# Altium PCB controller_V1.0.PcbDoc (part 1 of 8) (continued)
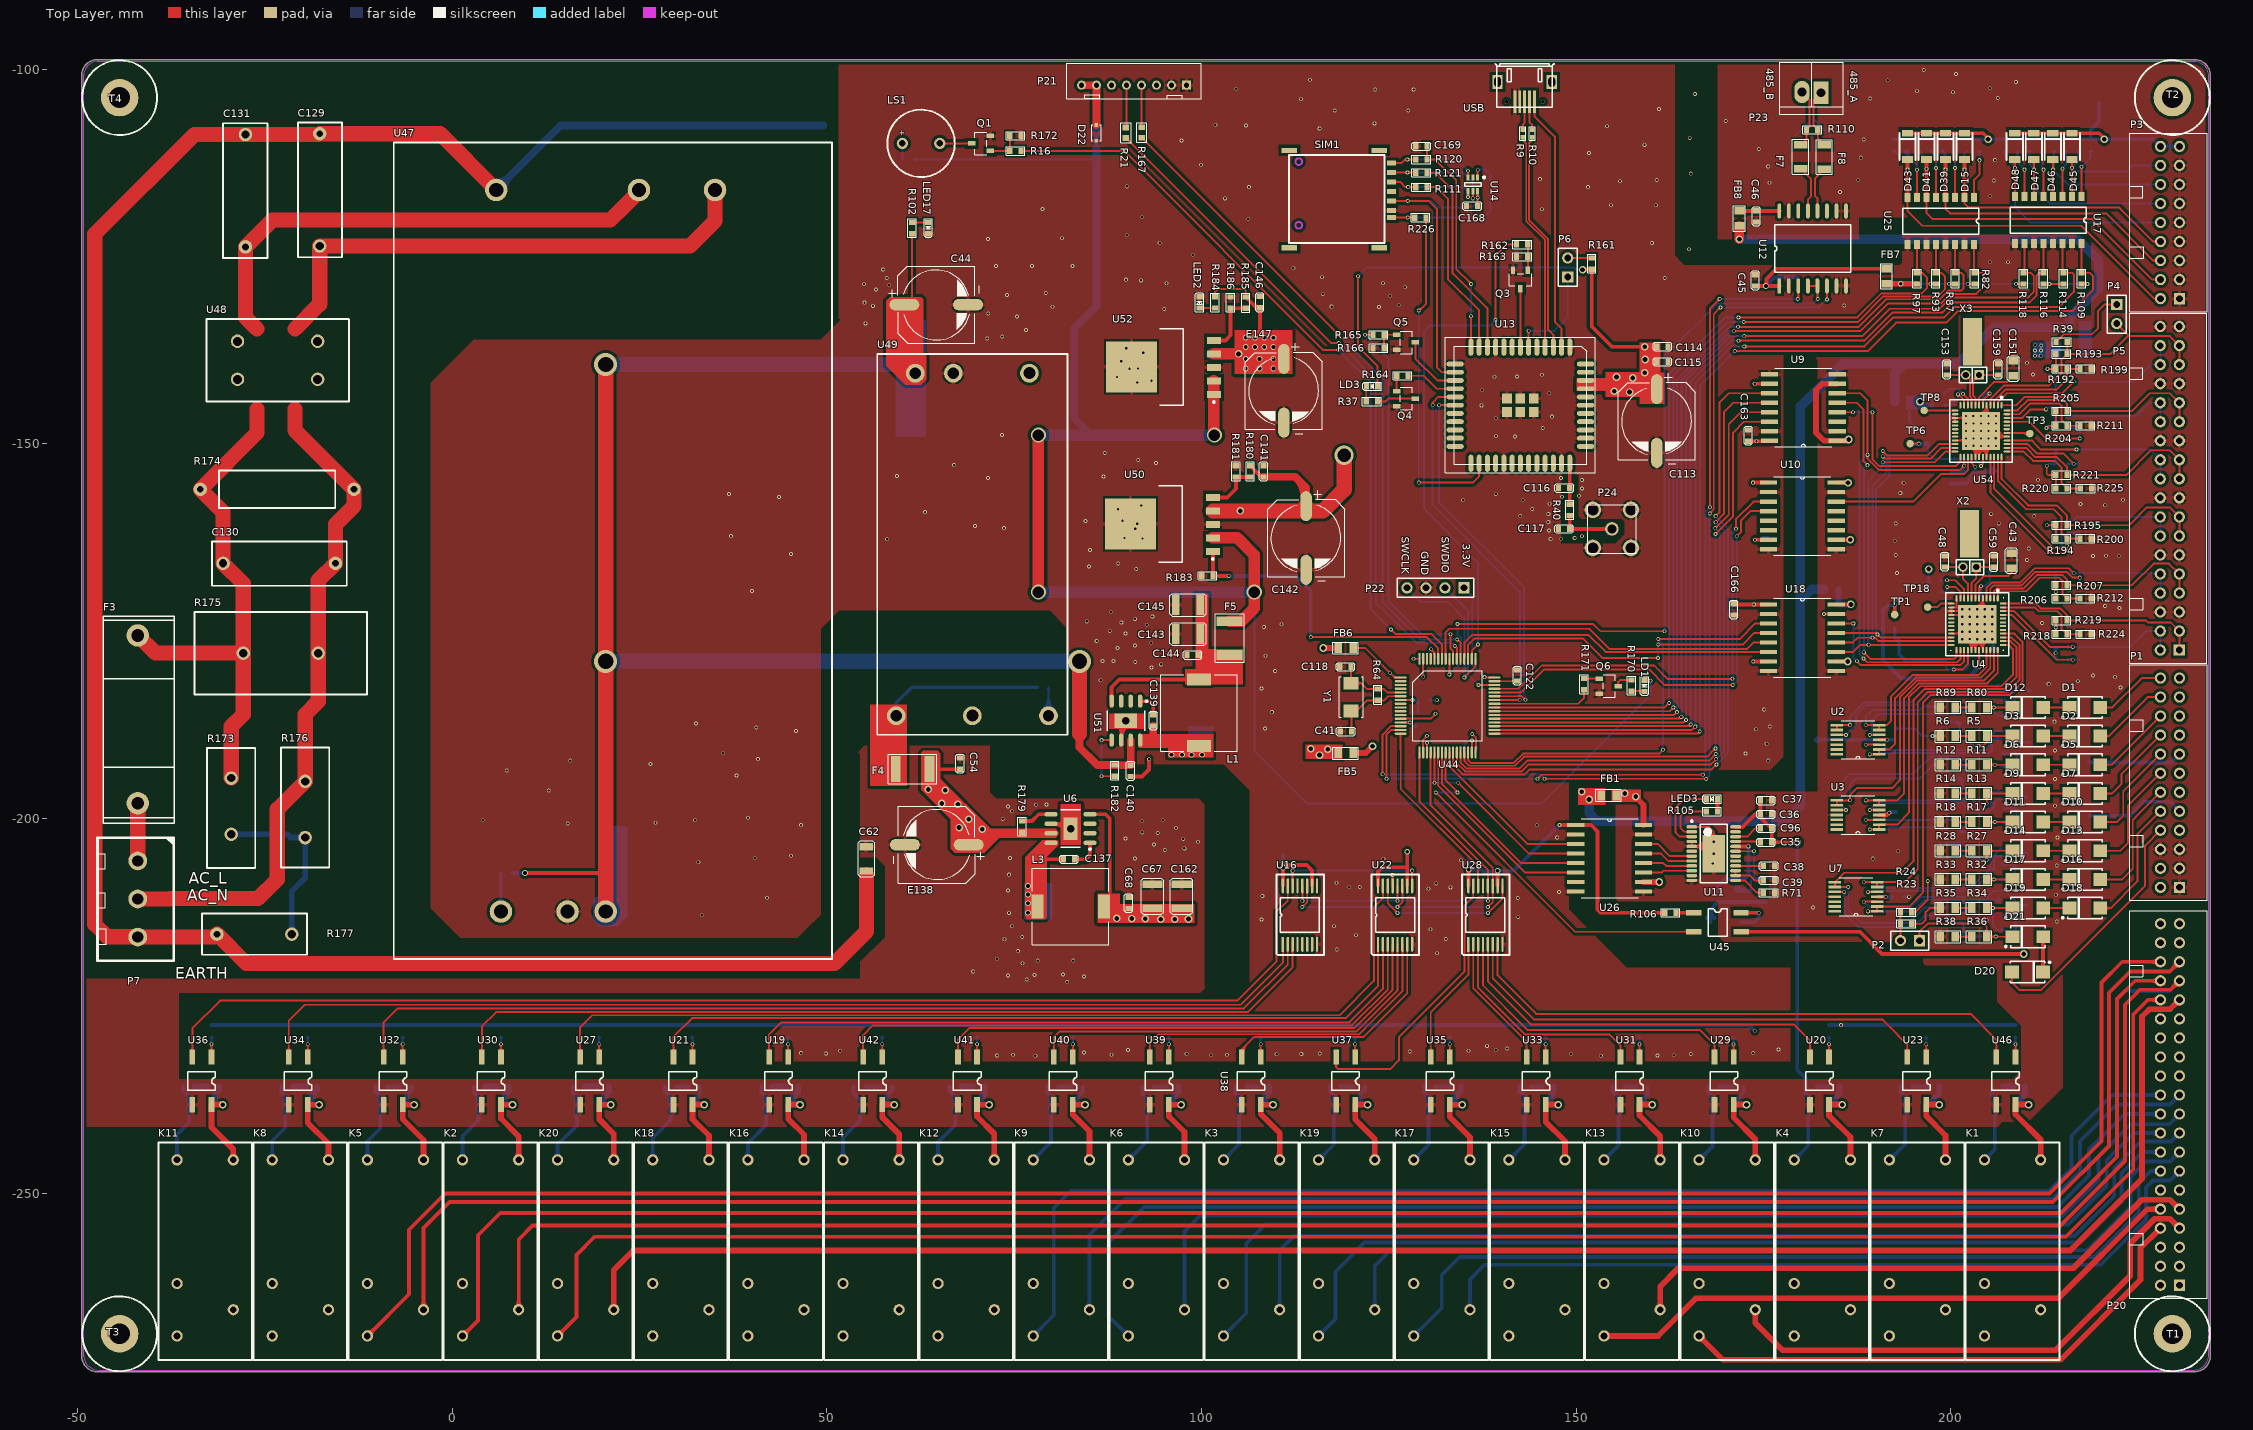
[diagram p0: Top Layer view]
## Components (designator, comment, footprint, x,y, rotation, side; value= is the part's Value field where it differs from the comment)
C1 "1uF" 0603C 192.987,-170.586 r0 bottom
C2 "0.1uF" 0603C 194.638,-176.428 r180 bottom
C3 "220nF" 0805C 206.781,-191.347 r90 bottom
C4 "220nF" 0805C 206.906,-198.45 r90 bottom
C5 "220nF" 0805C 206.781,-184.353 r90 bottom
C6 "0.1uF" 0603C 210.718,-191.364 r90 bottom
C7 "0.1uF" 0603C 210.309,-198.65 r90 bottom
C8 "0.1uF" 0603C 210.718,-184.379 r90 bottom
C12 "220nF" 0805C 199.288,-203.229 r90 bottom
C13 "220nF" 0805C 199.413,-187.029 r90 bottom
C16 "0.1uF" 0603C 203.098,-203.302 r90 bottom
C17 "0.1uF" 0603C 202.816,-187.229 r90 bottom
C21 "220nF" 0805C 199.288,-194.72 r90 bottom
C22 "220nF" 0805C 206.906,-212.881 r90 bottom
C25 "0.1uF" 0603C 203.225,-194.666 r90 bottom
C26 "0.1uF" 0603C 210.309,-213.081 r90 bottom
C29 "220nF" 0805C 206.779,-206.023 r90 bottom
C30 "220nF" 0805C 199.669,-213.897 r90 bottom
C33 "0.1uF" 0603C 210.182,-206.223 r90 bottom
C34 "0.1uF" 0603C 203.479,-213.97 r90 bottom
C35 "0.01uF" 0603C 174.621,-203.175 r0 top
C36 "0.01uF" 0603C 176.121,-199.449 r180 top
C37 "0.1uF" 0603C 176.121,-197.587 r180 top
C38 "0.1uF" 0603C 174.978,-206.35 r0 top
C39 "0.1uF" 0603C 174.978,-208.255 r0 top
C40 "0.1uF" 0603C 177.518,-211.279 r90 bottom
C41 "20p" 0603c 118.516,-188.392 r0 top
C42 "0.1uF" 0603C 135.687,-205.384 r0 bottom
C43 "22nF" 0805C 208.117,-166.573 r90 top
C44 "220uF/50V" Φ10×10 64.59,-131.42 r90 top
C45 "0.1uF" 0603C 173.937,-127.406 r270 top
C46 "0.1uF" 0603C 174.038,-120.371 r90 top
C47 "0.1uF" 0603C 194.208,-199.136 r180 bottom
C48 "4.7pF" 0603C 199.227,-166.446 r90 top
C49 "0.1uF" 0603C 192.507,-187.985 r270 bottom
C54 "1uF" 0603C 67.765,-191.922 r270 top
C56 "10nF/50V" 0603C 198.926,-109.322 r270 bottom value=22nF
C57 "0.1uF" 0603C 127.457,-205.537 r180 bottom
C58 "0.1uF" 0603C 193.599,-210.464 r180 bottom
C59 "4.7pF" 0603C 205.765,-166.472 r90 top value=6.8pF
C62 "1nF/2kV" 1206C 55.268,-203.759 r270 top
C63 "10nF/50V" 0603C 195.653,-109.322 r270 bottom value=22nF
C65 "10nF/50V" 0603C 192.38,-109.322 r270 bottom value=22nF
C67 "22uF/10V" 1210C 93.444,-212.014 r90 top
C68 "0.1uF" 0603C 90.269,-212.014 r90 top
C73 "0.1uF" 0603C 110.896,-204.876 r0 bottom
C76 "10nF/50V" 0603C 217.061,-109.322 r270 bottom value=22nF
C78 "10nF/50V" 0603C 213.795,-109.322 r270 bottom value=22nF
C79 "10nF/50V" 0603C 210.53,-109.322 r270 bottom value=22nF
C80 "10nF/50V" 0603C 207.264,-109.322 r270 bottom value=22nF
C84 "0.01uF" 0603C 199.354,-177.495 r270 bottom
C85 "0.1uF" 0603C 203.291,-155.27 r90 bottom
C86 "0.1uF" 0603C 205.831,-144.729 r180 bottom
C87 "0.1uF" 0603C 46.176,-235.788 r180 bottom
C88 "0.1uF" 0603C 185.162,-235.788 r180 bottom
C89 "0.1uF" 0603C 33.016,-235.788 r180 bottom
C90 "0.1uF" 0603C 209.919,-235.788 r180 bottom
C91 "0.1uF" 0603C 198.497,-235.788 r180 bottom
C92 "0.1uF" 0603C 20.926,-235.788 r180 bottom
C93 "0.1uF" 0603C 172.388,-235.788 r180 bottom
C94 "0.1uF" 0603C 7.54,-235.788 r180 bottom
C95 "0.1uF" 0603C 159.559,-235.788 r180 bottom
C96 "0.01uF" 0603C 174.621,-201.312 r0 top
C97 "0.1uF" 0603C -5.463,-235.788 r180 bottom
C98 "0.1uF" 0603C 147.017,-235.788 r180 bottom
C101 "0.1uF" 0603C -18.012,-235.788 r180 bottom
C102 "0.1uF" 0603C 134.591,-235.788 r180 bottom
C103 "0.1uF" 0603C -31.143,-235.788 r180 bottom
C104 "0.1uF" 0603C 121.815,-235.788 r180 bottom
C106 "0.1uF" 0603C 109.064,-235.788 r180 bottom
C107 "0.1uF" 0603C 96.923,-235.788 r180 bottom
C108 "10nF/50V" 0603C 202.199,-109.322 r270 bottom value=22nF
C109 "0.1uF" 0603C 84.223,-235.788 r180 bottom
C110 "0.1uF" 0603C 71.04,-235.788 r180 bottom
C111 "0.1uF" 0603C 58.747,-235.788 r180 bottom
C112 "0.01uF" 0603C 175.359,-209.676 r270 bottom
C113 "220uF/50V" Φ10×10 160.779,-146.939 r0 top value=100pF
C114 "100nF/50V" 0603C 162.278,-137.008 r180 top value=22nF
C115 "33pF/50V" 0603C 162.278,-139.04 r180 top value=22nF
C116 "NC" 0603c 149.172,-155.88 r180 top value=22nF
C117 "NC" 0603c 149.149,-161.341 r180 top value=22nF
C118 "20p" 0603c 118.466,-179.756 r0 top
C119 "2.2uF/50V" 0603C 135.091,-192.292 r90 bottom value=22nF
C120 "0.1uF/50V" 0603C 130.378,-186.03 r180 bottom value=22nF
C121 "0.1uF" 0603C 205.638,-170.663 r180 bottom
C122 "2.2uF/50V" 0603C 142.164,-180.162 r270 top value=22nF
C123 "0.1uF/50V" 0603C 130.099,-192.456 r90 bottom value=22nF
C124 "0.1uF/50V" 0603C 136.677,-192.227 r90 bottom value=22nF
C125 "0.1uF/50V" 0603C 130.325,-187.681 r180 bottom value=22nF
C126 "0.1uF/50V" 0603C 140.564,-181.127 r180 bottom value=22nF
C127 "0.1uF/50V" 0603C 129.614,-180.086 r90 bottom value=22nF
C128 "0.1uF/50V" 0603C 128.115,-181.178 r180 bottom value=22nF
C129 "2.2nF/400VAC" 15x18 -17.706,-108.585 r270 top value=22nF
C130 "0.15μF/300VAC" 15x18 -15.598,-165.938 r180 top value=22nF
C131 "2.2nF/400VAC" 15x18 -27.612,-123.698 r90 top value=22nF
C132 "1nF/2KV" 1206C 52.756,-107.493 r180 bottom value=22nF
C133 "0.1uF" 0603C 206.72,-166.827 r180 bottom
C134 "1uF/50V" 1210C 64.844,-135.103 r180 bottom value=22nF
C135 "4.7uF/50V" 1210C 17.244,-207.416 r0 bottom value=22nF
C136 "10uF/50V" 1210C 17.321,-202.59 r0 bottom value=22nF
C137 "0.01uF" 0603C 81.557,-205.435 r0 top
C138 "0.1uF" 0603C 183.515,-149.581 r0 bottom
C139 "0.01uF" 0603C 93.571,-187.655 r90 top
C140 "1uF" 0603C 90.523,-194.386 r90 top
C141 "0.1uF/50V" 0603C 108.278,-152.907 r270 top value=22nF
C142 "470uF/50V" Φ10×10 113.967,-162.56 r0 top value=100pF
C143 "22uF/10V" 1210C 99.819,-175.381 r180 top
C144 "0.1uF" 0603C 99.565,-178.175 r180 top
C145 "22uF/10V" 1210C 99.819,-171.475 r180 top
C146 "0.1uF/50V" 0603C 107.795,-130.327 r270 top value=22nF
C147 "0.1uF" 0603C 175.689,-164.059 r90 bottom
C151 "22nF" 0805C 208.371,-140.919 r90 top
C153 "4.7pF" 0603C 199.481,-140.792 r90 top
C156 "1uF" 0603C 197.002,-149.962 r90 bottom
C157 "0.1uF" 0603C 192.991,-146.304 r0 bottom
C159 "4.7pF" 0603C 206.339,-140.792 r90 top value=6.8pF
C160 "0.1uF" 0603C 183.413,-162.789 r0 bottom
C161 "0.1uF" 0603C 175.539,-180.518 r90 bottom
C162 "22uF/10V" 1210C 97.356,-212.014 r90 top
C163 "0.1uF" 0603C 172.974,-148.133 r270 top
C164 "0.1uF" 0603C 183.413,-179.045 r0 bottom
C165 "0.1uF" 0603C 183.54,-171.425 r0 bottom
C166 "0.1uF" 0603C 171.041,-172.847 r90 top
C167 "0.1uF" 0603C 222.961,-201.117 r90 bottom
C168 "0.1uF/10V" 0603c 135.382,-118.237 r0 top
C169 "0.1uF/10V" 0603c 130.099,-110.261 r180 top
D1 "SS14" DO-214AC 217.929,-185.174 r180 top
D2 "SS14" DO-214AC 217.929,-189 r180 top
D3 "SS14" DO-214AC 210.309,-189 r180 top
D4 "SS54" SMC 85.57,-211.252 r180 bottom
D5 "SS14" DO-214AC 217.929,-192.826 r180 top
D6 "SS14" DO-214AC 210.309,-192.826 r180 top
D7 "SS14" DO-214AC 217.929,-196.652 r180 top
D8 "SS36" sma 167.993,-213.843 r0 bottom
D9 "SS14" DO-214AC 210.309,-196.652 r180 top
D10 "SS14" DO-214AC 217.929,-200.478 r180 top
D11 "SS14" DO-214AC 210.309,-200.478 r180 top
D12 "SS14" DO-214AC 210.309,-185.174 r180 top
D13 "SS14" DO-214AC 217.929,-204.304 r180 top
D14 "SS14" DO-214AC 210.309,-204.304 r180 top
D15 "LL4148" DO-213AB/LL34/MiniMELF 201.854,-110.287 r270 top
D16 "SS14" DO-214AC 217.929,-208.13 r180 top
D17 "SS14" DO-214AC 210.309,-208.13 r180 top
D18 "SS14" DO-214AC 217.929,-211.956 r180 top
D19 "SS14" DO-214AC 210.309,-211.956 r180 top
D20 "SS14" DO-214AC 210.261,-220.497 r0 top
D21 "SS14" DO-214AC 210.309,-215.781 r180 top
D22 "CESDB5V0D5" sod323 85.951,-109.525 r90 top
D26 "SMCJ30CA" SMC 67.257,-147.295 r180 bottom
D39 "LL4148" DO-213AB/LL34/MiniMELF 199.314,-110.287 r270 top
D41 "LL4148" DO-213AB/LL34/MiniMELF 196.774,-110.287 r270 top
D43 "LL4148" DO-213AB/LL34/MiniMELF 194.234,-110.287 r270 top
D45 "LL4148" DO-213AB/LL34/MiniMELF 216.186,-110.287 r270 top
D46 "LL4148" DO-213AB/LL34/MiniMELF 213.644,-110.287 r270 top
D47 "LL4148" DO-213AB/LL34/MiniMELF 211.101,-110.287 r270 top
D48 "LL4148" DO-213AB/LL34/MiniMELF 208.559,-110.287 r270 top
D49 "LL4148" DO-213AB/LL34/MiniMELF 207.633,-238.201 r0 bottom
D50 "LL4148" DO-213AB/LL34/MiniMELF 43.636,-238.201 r0 bottom
D51 "LL4148" DO-213AB/LL34/MiniMELF 182.749,-238.201 r0 bottom
D52 "SMCJ36CA" SMC 218.437,-206.383 r90 bottom
D53 "LL4148" DO-213AB/LL34/MiniMELF 195.703,-238.201 r0 bottom
D54 "LL4148" DO-213AB/LL34/MiniMELF 18.386,-238.201 r0 bottom
D55 "LL4148" DO-213AB/LL34/MiniMELF 169.975,-238.201 r0 bottom
D56 "LL4148" DO-213AB/LL34/MiniMELF 5.254,-238.201 r0 bottom
D57 "LL4148" DO-213AB/LL34/MiniMELF 157.4,-238.201 r0 bottom
D58 "LL4148" DO-213AB/LL34/MiniMELF -7.876,-238.201 r0 bottom
D59 "LL4148" DO-213AB/LL34/MiniMELF 144.858,-238.201 r0 bottom
D60 "LL4148" DO-213AB/LL34/MiniMELF -20.552,-238.201 r0 bottom
D61 "LL4148" DO-213AB/LL34/MiniMELF 132.051,-238.201 r0 bottom
D62 "LL4148" DO-213AB/LL34/MiniMELF -33.429,-238.201 r0 bottom
D63 "LL4148" DO-213AB/LL34/MiniMELF 119.402,-238.201 r0 bottom
D64 "LL4148" DO-213AB/LL34/MiniMELF 106.778,-238.201 r0 bottom
D65 "LL4148" DO-213AB/LL34/MiniMELF 94.51,-238.201 r0 bottom
D66 "LL4148" DO-213AB/LL34/MiniMELF 81.683,-238.201 r0 bottom
D67 "LL4148" DO-213AB/LL34/MiniMELF 68.881,-238.201 r0 bottom
D68 "LL4148" DO-213AB/LL34/MiniMELF 56.207,-238.201 r0 bottom
D69 "5.1V" SMA 97.457,-159.08 r0 bottom
D70 "SS54" SMC 99.819,-182.239 r270 bottom
D71 "5.1V" SMA 97.358,-137.998 r0 bottom
D72 "SS14" DO-214AC 215.745,-137.541 r180 bottom
D75 "SMCJ36CA" SMC 218.44,-185.598 r270 bottom
D76 "SMCJ36CA" smc 213.055,-104.47 r0 bottom
D77 "LL4148" DO-213AB/LL34/MiniMELF 30.857,-238.201 r0 bottom
D78 "SMBJ6.5A" SMB 183.944,-113.335 r90 bottom
D79 "SMBJ6.5A" SMB 179.245,-113.335 r90 bottom
E13 "10uF/16V" C3528 205.958,-153.619 r0 bottom
E14 "10uF/16V" C3528 202.275,-178.384 r0 bottom
E138 "100uF/50V" Φ10×10 64.666,-203.505 r270 top value=100pF
E147 "47uF/50V" Φ10×10 110.995,-142.9 r0 top value=100pF
F2 "1A" 0805r 215.872,-134.417 r0 bottom
F3 "6.3A/250V" 可视开关电源保险丝座 -41.989,-197.968 r90 top
F4 "2A" 1812-F 59.179,-193.396 r0 top
F5 "3A" 1812-F 103.756,-178.175 r90 top
F7 "SMD1210P020TS" 1206R 179.982,-113.284 r90 top
F8 "SMD1210P020TS" 1206R 183.131,-113.335 r90 top
FB1 "JWWBW2012 M600HT" 0805R 153.337,-196.926 r0 top
FB2 "JWWBW2012 M600HT" 0805R 192.532,-144.348 r0 bottom
FB3 "JWWBW2012 M600HT" 0805R 183.032,-169.393 r0 bottom
FB4 "JWWBW2012 M600HT" 0805R 179.959,-189.509 r0 bottom
FB5 "JWWBW2012 M600HT" 0805R 118.237,-191.262 r0 top
FB6 "JWWBW2012 M600HT" 0805R 118.237,-177.241 r0 top
FB7 "JWWBW2012 M600HT" 0805CZ 191.44,-126.619 r270 top
FB8 "JWWBW2012 M600HT" 0805CZ 171.803,-118.897 r270 top
K1 "G2RL-1-H" G2RL-1-H 212.019,-245.567 r270 top locked
K2 "G2RL-1-H" G2RL-1-H 8.855,-245.567 r270 top locked
K3 "G2RL-1-H" G2RL-1-H 110.437,-245.567 r270 top locked
K4 "G2RL-1-H" G2RL-1-H 186.623,-245.567 r270 top locked
K5 "G2RL-1-H" G2RL-1-H -3.843,-245.567 r270 top locked
K6 "G2RL-1-H" G2RL-1-H 97.739,-245.567 r270 top locked
K7 "G2RL-1-H" G2RL-1-H 199.321,-245.567 r270 top locked
K8 "G2RL-1-H" G2RL-1-H -16.54,-245.567 r270 top locked
K9 "G2RL-1-H" G2RL-1-H 85.042,-245.567 r270 top locked
K10 "G2RL-1-H" G2RL-1-H 173.926,-245.567 r270 top locked
K11 "G2RL-1-H" G2RL-1-H -29.238,-245.567 r270 top locked
K12 "G2RL-1-H" G2RL-1-H 72.344,-245.567 r270 top locked
K13 "G2RL-1-H" G2RL-1-H 161.228,-245.567 r270 top locked
K14 "G2RL-1-H" G2RL-1-H 59.646,-245.567 r270 top locked
K15 "G2RL-1-H" G2RL-1-H 148.53,-245.567 r270 top locked
K16 "G2RL-1-H" G2RL-1-H 46.948,-245.567 r270 top locked
K17 "G2RL-1-H" G2RL-1-H 135.832,-245.567 r270 top locked
K18 "G2RL-1-H" G2RL-1-H 34.251,-245.567 r270 top locked
K19 "G2RL-1-H" G2RL-1-H 123.135,-245.567 r270 top locked
K20 "G2RL-1-H" G2RL-1-H 21.553,-245.567 r270 top locked
L1 "CDRH105NP-100NC" CDRH105 104.772,-191.002 r180 top
L3 "CDRH105NP-100NC" CDRH105 77.442,-216.84 r90 top
LD1 "LED_Green_19-217" 0603led 159.131,-181.559 r270 top value=19-217/G7C-AN1P2/3T
LD3 "LED_Green_19-217" 0603led 123.518,-142.291 r180 top value=19-217/G7C-AN1P2/3T
LED2 "5V" 0603LED 99.746,-131.851 r90 top
LED3 "LED" 0603LED 168.882,-197.409 r180 top
LED17 "5V" 0603LED 63.528,-120.43 r270 top
LS1 "Speaker" BUFFER_0905 60.068,-109.88 r0 top
P1 "Header 12X2" XH2.54_2X12 230.546,-209.194 r90 top
P2 "Header 2" HDR1X2 195.834,-216.306 r180 top
P3 "Header 9X2" XH2.54_2X9 230.556,-130.607 r90 top locked
P4 "Header 2" HDR1X2 222.174,-131.394 r270 top
P5 "Header 18X2" XH2.54_2X18 230.53,-177.521 r90 top
P6 "Header 2" HDR1X2 148.892,-127.711 r90 top
P7 "Header 3" KF128V-3P -41.986,-205.664 r270 top
P20 "Header 20X2" XH2.54_2X20 230.546,-262.306 r90 top
P21 "Header 8" 2.0x8 97.991,-102.108 r180 top
P22 "Header 4" HDR1X4 135.049,-169.215 r180 top
P23 "Header 2" 2X2.54MMZ 182.7,-103.124 r180 top
P24 "Header 5" KH-SMA-KE-Z 154.788,-161.341 r0 top
Q1 "MMBT3904" SOT23-3 71.806,-110.896 r0 top
Q3 "MMBT3904" SOT23-3 143.584,-126.797 r90 top
Q4 "MMBT3904" SOT23-3 126.035,-142.951 r180 top
Q5 "MMBT3904" SOT23-3 126.058,-135.433 r180 top
Q6 "MMBT3904" SOT23-3 153.111,-181.331 r180 top
Q11 "MMBT3904" SOT23-3 171.422,-209.144 r0 bottom
R1 "51K" 0603R#1 208.813,-193.015 r180 bottom
R2 "51K" 0603R#1 208.813,-189.84 r270 bottom
R3 "51K" 0603R#1 208.785,-200.414 r180 bottom
R4 "51K" 0603R#1 208.785,-197.15 r270 bottom
R5 "49.9R_1%" 0805R 202.816,-189 r0 top
R6 "49.9R_1%" 0805R 198.625,-189 r0 top
R7 "51K" 0603R#1 208.813,-186.284 r180 bottom
R8 "51K" 0603R#1 208.813,-182.855 r270 bottom
R9 "22" 0402R 142.875,-108.093 r270 top value=NC
R10 "22" 0402R 144.145,-108.093 r270 top value=NC
R11 "49.9R_1%" 0805R 202.816,-192.826 r0 top
R12 "49.9R_1%" 0805R 198.625,-192.826 r0 top
R13 "49.9R_1%" 0805R 202.816,-196.652 r0 top
R14 "49.9R_1%" 0805R 198.625,-196.652 r0 top
R15 "100" 0603R#1 61.592,-112.039 r180 bottom
R16 "1K" 0603r 74.422,-110.896 r0 top
R17 "49.9R_1%" 0805R 202.816,-200.478 r0 top
R18 "49.9R_1%" 0805R 198.625,-200.478 r0 top
R19 "5.1K" 0603R#1 201.767,-155.27 r90 bottom
R20 "1.5K" 0603R#1 197.068,-168.224 r0 bottom
R21 "1K" 0603R#2 89.913,-108.458 r90 top
R22 "100K" 0603R#1 131.191,-178.638 r270 bottom
R23 "51K" 0603R#1 194.818,-214.046 r180 top
R24 "51K" 0603R#1 193.319,-212.522 r0 top
R25 "51K" 0603R#1 201.32,-205.08 r0 bottom
R26 "51K" 0603R#1 201.32,-201.778 r270 bottom
R27 "49.9R_1%" 0805R 202.816,-204.304 r0 top
R28 "49.9R_1%" 0805R 198.625,-204.304 r0 top
R29 "51K" 0603R#1 201.193,-188.824 r0 bottom
R30 "51K" 0603R#1 201.193,-185.649 r270 bottom
R31 "NC" 0603r 6.474,-207.289 r0 bottom value=100K
R32 "49.9R_1%" 0805R 202.816,-208.13 r0 top
R33 "49.9R_1%" 0805R 198.625,-208.13 r0 top
R34 "49.9R_1%" 0805R 202.816,-211.956 r0 top
R35 "49.9R_1%" 0805R 198.625,-211.956 r0 top
R36 "49.9R_1%" 0805R 202.816,-215.781 r0 top
R37 "1K" 0603R#1 121.994,-144.323 r0 top
R38 "49.9R_1%" 0805R 198.625,-215.781 r0 top
R39 "100" 0603R#1 215.57,-136.398 r180 top
R40 "0" 0603r 149.146,-158.039 r270 top value=1K
R44 "51K" 0603R#1 201.447,-196.571 r0 bottom
R45 "51K" 0603R#1 201.447,-193.142 r270 bottom
R46 "51K" 0603R#1 208.686,-214.859 r180 bottom
R47 "51K" 0603R#1 208.686,-211.557 r270 bottom
R60 "51K" 0603R#1 208.559,-208.128 r180 bottom
R61 "51K" 0603R#1 208.559,-204.699 r270 bottom
R62 "51K" 0603R#1 201.701,-215.748 r0 bottom
R63 "51K" 0603R#1 201.701,-212.446 r270 bottom
R64 "1M" 0603R#1 123.543,-184.226 r90 top
R71 "15K/0.1%" 0603R#1 174.978,-209.906 r0 top
R72 "1K" 0603R#1 173.327,-209.676 r270 bottom
R73 "5.1K" 0603R#1 197.068,-169.748 r0 bottom
R75 "5.1K" 0603R#1 197.576,-144.856 r0 bottom
R76 "1K" 0603R#1 182.27,-129.261 r90 bottom
R80 "49.9R_1%" 0805R 202.816,-185.174 r0 top
R81 "3.3K" 0603R#1 203.835,-110.822 r90 bottom
R82 "5.1K" 0603R#1 203.197,-128.651 r90 top
R86 "3.3K" 0603R#1 200.562,-110.822 r90 bottom
R87 "5.1K" 0603R#1 200.607,-128.651 r90 top
R89 "49.9R_1%" 0805R 198.625,-185.174 r0 top
R92 "3.3K" 0603R#1 197.289,-110.822 r90 bottom
R93 "5.1K" 0603R#1 198.016,-128.651 r90 top
R96 "3.3K" 0603R#1 194.016,-110.822 r90 bottom
R97 "5.1K" 0603R#1 195.501,-128.651 r90 top
R102 "5.1K" 0603R#1 61.369,-120.43 r270 top
R105 "1.5K" 0603R#1 167.382,-199.06 r0 top
R106 "510" 0603R#1 163.347,-212.573 r180 top
R107 "510" 0603R#1 208.649,-229.083 r90 bottom
R108 "3.3K" 0603R#1 218.694,-110.822 r90 bottom
R109 "5.1K" 0603R#1 217.472,-128.651 r90 top
R110 "120" 0603R#1 180.769,-108.077 r0 top
R111 "10R/5%" 0603r 128.596,-115.722 r0 top value=10R
R113 "3.3K" 0603R#1 215.428,-110.822 r90 bottom
R114 "5.1K" 0603R#1 215.059,-128.651 r90 top
R115 "3.3K" 0603R#1 212.163,-110.822 r90 bottom
R116 "5.1K" 0603R#1 212.392,-128.651 r90 top
R117 "3.3K" 0603R#1 208.897,-110.822 r90 bottom
R118 "5.1K" 0603R#1 209.725,-128.651 r90 top
R120 "10R/5%" 0603r 128.596,-112.039 r0 top value=10R
R121 "10R/5%" 0603r 128.596,-113.817 r0 top value=10R
R122 "51K" 0603R#1 206.998,-235.788 r180 bottom
R123 "51K" 0603R#1 42.747,-235.788 r180 bottom
R124 "510" 0603R#1 44.825,-229.083 r90 bottom
R125 "51K" 0603R#1 182.114,-235.788 r180 bottom
R126 "51K" 0603R#1 29.841,-235.788 r180 bottom
R127 "510" 0603R#1 183.779,-229.083 r90 bottom
R128 "510" 0603R#1 32.029,-229.083 r90 bottom
R129 "51K" 0603R#1 194.814,-235.788 r180 bottom
R130 "51K" 0603R#1 17.624,-235.788 r180 bottom
R131 "510" 0603R#1 196.745,-229.083 r90 bottom
R132 "510" 0603R#1 19.603,-229.083 r90 bottom
R133 "51K" 0603R#1 169.086,-235.788 r180 bottom
R134 "51K" 0603R#1 4.365,-235.788 r180 bottom
R135 "510" 0603R#1 171.031,-229.083 r90 bottom
R136 "510" 0603R#1 6.484,-229.083 r90 bottom
R137 "51K" 0603R#1 156.384,-235.788 r180 bottom
R138 "51K" 0603R#1 -8.765,-235.788 r180 bottom
R139 "510" 0603R#1 158.47,-229.083 r90 bottom
R140 "510" 0603R#1 -6.632,-229.083 r90 bottom
R141 "51K" 0603R#1 143.969,-235.788 r180 bottom
R142 "510" 0603R#1 145.941,-229.083 r90 bottom
R143 "51K" 0603R#1 -21.314,-235.788 r180 bottom
R144 "510" 0603R#1 -19.296,-229.083 r90 bottom
R145 "51K" 0603R#1 131.162,-235.788 r180 bottom
R146 "51K" 0603R#1 -34.445,-235.788 r180 bottom
R147 "510" 0603R#1 133.147,-229.083 r90 bottom
R148 "510" 0603R#1 -32.159,-229.083 r90 bottom
R149 "51K" 0603R#1 118.64,-235.788 r180 bottom
R150 "510" 0603R#1 120.511,-229.083 r90 bottom
R151 "51K" 0603R#1 106.016,-235.788 r180 bottom
R152 "510" 0603R#1 107.901,-229.083 r90 bottom
R153 "51K" 0603R#1 93.621,-235.788 r180 bottom
R154 "510" 0603R#1 95.646,-229.083 r90 bottom
R155 "51K" 0603R#1 80.921,-235.788 r180 bottom
R156 "510" 0603R#1 82.832,-229.083 r90 bottom
R157 "51K" 0603R#1 67.865,-235.788 r180 bottom
R158 "510" 0603R#1 70.044,-229.083 r90 bottom
R159 "51K" 0603R#1 55.064,-235.788 r180 bottom
R160 "510" 0603R#1 57.383,-229.083 r90 bottom
R161 "47K" 0603r 152.093,-125.171 r270 top value=1K
R162 "4.7K" 0603R#1 142.06,-123.368 r0 top value=1K
R163 "47K" 0603r 142.06,-125.019 r0 top value=1K
R164 "1K" 0603r 127.582,-140.894 r180 top
R165 "4.7K" 0603R#1 122.883,-135.433 r0 top value=1K
R166 "47K" 0603r 122.883,-137.211 r0 top value=1K
R167 "1K" 0603R#2 92.024,-108.433 r90 top
R168 "10K" 0603R#1 128.877,-184.226 r0 bottom
R170 "1K" 0603r 157.404,-183.007 r90 top
R171 "1K" 0603r 151.054,-182.829 r90 top
R172 "10K" 0603r 74.422,-108.864 r0 top
R173 "14D561K" 14D561K -29.517,-202.108 r90 top
R174 "1MΩ/2W" 5x15.5 -33.632,-156.058 r0 top value=100K
R175 "20D471K" 20D471K -17.91,-177.927 r180 top